# Altium PCB precursor_pvt2b.PcbDoc (part 1 of 7) (continued)
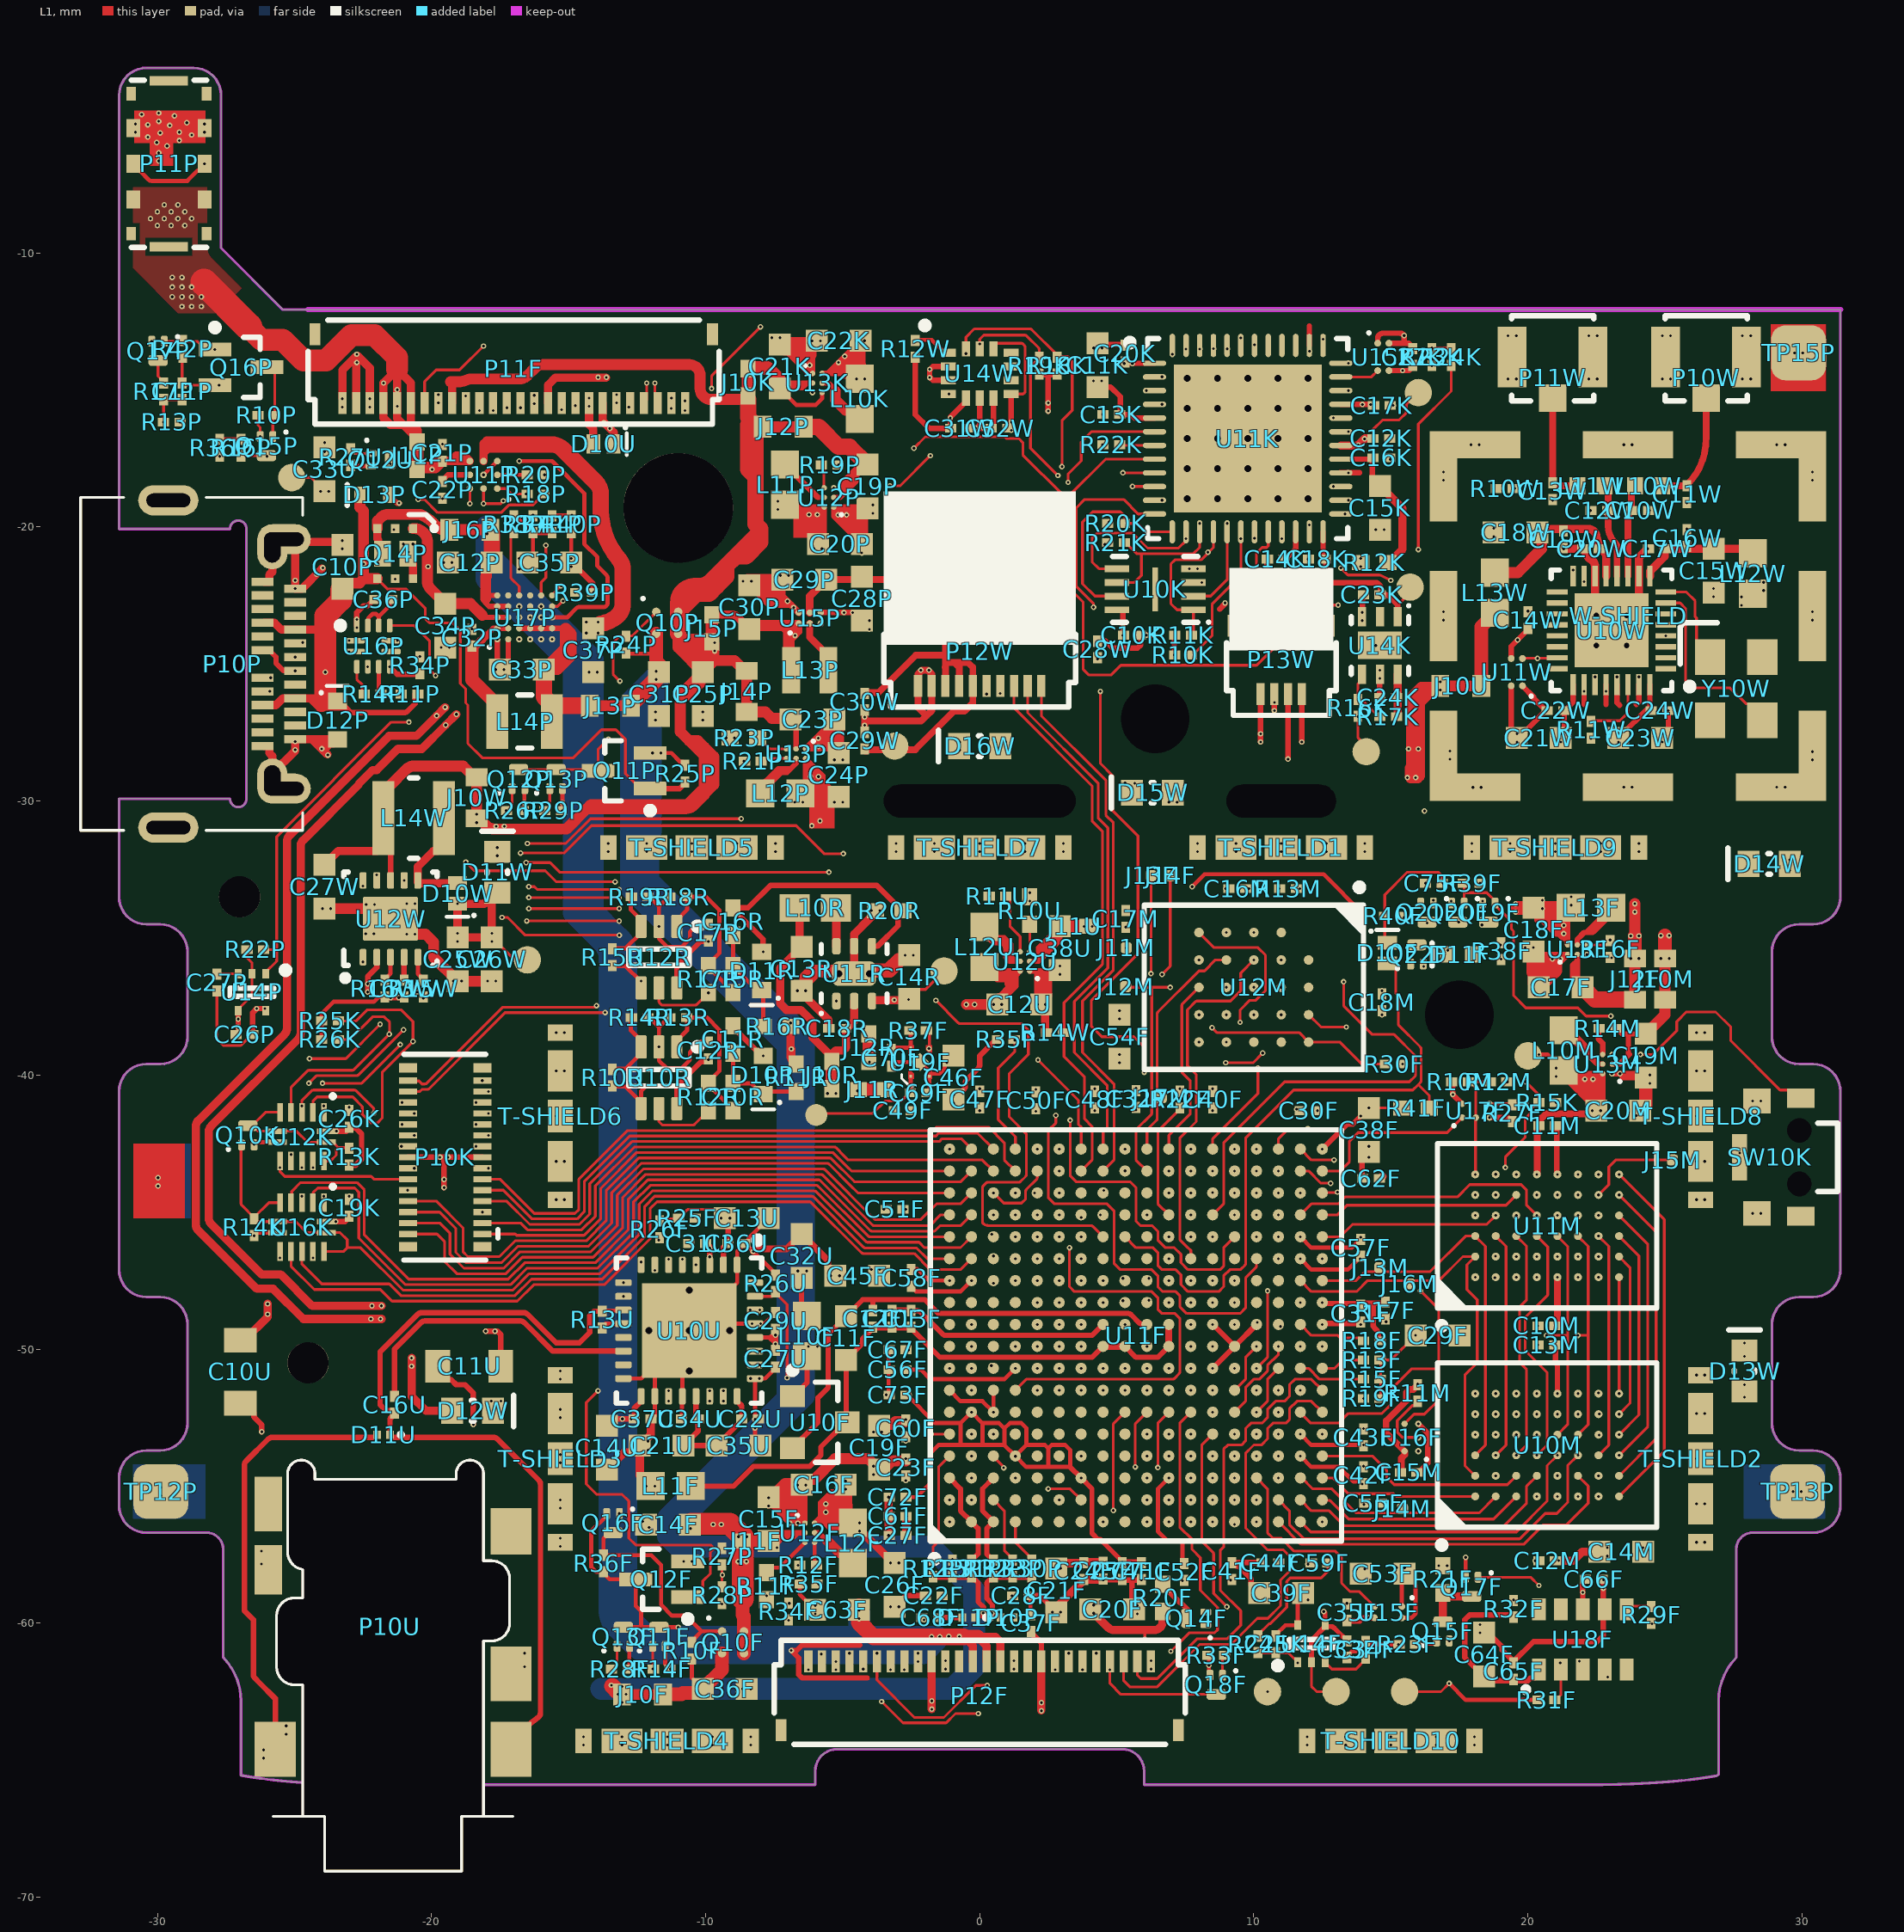
[diagram p0: L1 view]
## Classes and differential pairs
net class DP_90: USB_N USB_P USBC_N USBC_P
net class SE_50: WIFI_RF1 WIFI_RF1L WIFI_RF2 WIFI_RF2L
component class 07_ux: C10U C11U C12U C13U C14U C16U C21U C22U C27U C29U C31U C32U C33U C34U C35U C36U C37U C38U D10U D11U J11U L12U NT10U P10U Q12U R10U R11U R13U R26U R27U U10U U12U
component class 06_rng: C10R C11R C12R C13R C14R C15R C16R C17R C18R D10R D11R J10R J11R J12R L10R R10R R11R R12R R13R R14R R15R R16R R17R R18R R19R R20R U10R U11R U12R
component class 05_kbd_pm: C10K C11K C12K C13K C14K C15K C16K C17K C18K C19K C20K C21K C22K C23K C24K C25K C26K C27K J10K L10K P10K Q10K R10K R11K R12K R13K R14K R15K R16K R17K R18K R19K R20K R21K R22K R23K R24K R25K R26K SW10K U10K U11K U12K U13K U14K U15K U16K
component class 04_io: C10W C11W C12W C13W C14W C15W C16W C17W C18W C19W C20W C21W C22W C23W C24W C25W C26W C27W C28W C29W C30W C31W C32W C33W D10W D11W D12W D13W D14W D15W D16W J10U J10W L10W L11W L12W L13W L14W NT10W P10W P11W P12W P13W R10W R11W R12W R14W R15W R16W U10W U11W U12W U14W Y10W
component class 03_power: C10P C11P C12P C19P C20P C21P C22P C23P C24P C25P C26P C27P C28P C29P C30P C31P C32P C33P C34P C35P C36P C37P D10P D11P D12P D13P J11P J12P J13P J14P J15P J16P L11P L12P L13P L14P P10P P11P Q10P Q11P Q12P Q13P Q14P Q15P Q16P Q17P R10P R11P R12P R13P R14P R15P R16P R17P R18P R19P R20P R21P R22P R23P R24P R25P R26P R27P R28P R29P R30P R31P R32P R33P R34P R35P R36P R37P R38P R39P R40P R41P R42P T-SHIELD1 T-SHIELD2 T-SHIELD3 T-SHIELD4 T-SHIELD5 T-SHIELD6 T-SHIELD7 T-SHIELD8 T-SHIELD9 T-SHIELD10 TP12P TP13P TP14P TP15P U11P U12P U13P U14P U15P U16P U17P W-SHIELD
component class 02_memory: C10M C11M C12M C13M C14M C15M C16M C17M C18M C19M C20M J10M J11M J12M J13M J14M J15M J16M J17M L10M R10M R11M R12M R13M R14M U10M U11M U12M U13M
component class 01_fpga: C10F C11F C12F C13F C14F C15F C16F C17F C18F C19F C20F C21F C22F C23F C24F C25F C26F C27F C28F C29F C30F C31F C32F C33F C34F C35F C36F C37F C38F C39F C40F C41F C42F C43F C44F C45F C46F C47F C48F C49F C50F C51F C52F C53F C54F C55F C56F C57F C58F C59F C60F C61F C62F C63F C64F C65F C66F C67F C68F C69F C70F C71F C72F C73F C74F C75F D10F D11F J10F J11F J12F J13F J14F L10F L11F L12F L13F P11F P12F Q10F Q11F Q12F Q13F Q14F Q15F Q16F Q17F Q18F Q19F Q20F Q21F Q22F R10F R11F R12F R13F R14F R15F R16F R17F R18F R19F R20F R21F R22F R23F R24F R25F R26F R27F R28F R29F R30F R31F R32F R33F R34F R35F R36F R37F R38F R39F R40F R41F U10F U11F U12F U13F U14F U15F U16F U17F U18F U19F
differential pair USB: +USB_P -USB_N
differential pair USBC: +USBC_P -USBC_N

## Components (designator, comment, footprint, x,y, rotation, side; value= is the part's Value field where it differs from the comment)
C10F "0.47uF, 6.3V, X5R" B_CAP0201 -3.2,-48.9 r270 top
C10K "0.1uF, 6.3V, X5R" B_CAP0201 5.55,-23.95 r0 top
C10M "0.47uF, 6.3V, X5R" B_CAP0201 20.675,-49.15 r180 top
C10P "1.0uF, 25V, X5R" B_CAP0603 -23.25,-21.45 r90 top
C10R "1500pF, 50V, X7R" B_CAP0402 -9,-40.8 r270 top
C10U "47uF, 6.3V X5R" B_CAP0805 -26.975,-50.825 r270 top
C10W "1.8pF, NP0" B_CAP0201 24.1,-19.4 r0 top
C11F "10uF, 6.3V, X5R" B_CAP0603 -4.875,-49.6 r270 top
C11K "10uF, 6.3V, X5R" B_CAP0603 4.3,-14.1 r90 top
C11M "0.1uF, 6.3V, X5R" B_CAP0201 20.7,-41.85 r0 top
C11P "0.01uF, 25V, X5R" B_RES0201 -29.1,-15.05 r90 top
C11R "220pF, NP0, 50V" B_CAP0402 -9,-38.7 r270 top
C11U "47uF, 6.3V X5R" B_CAP0805 -18.625,-50.625 r180 top
C11W "0.8pF, NP0" B_CAP0201 25.8,-18.8 r270 top
C12F "0.1uF, 6.3V, X5R" B_CAP0201 -3.9,-48.9 r270 top
C12K "0.47uF, 6.3V, X5R" B_CAP0201 14.647,-16.771 r0 top
C12M "0.47uF, 6.3V, X5R" B_CAP0201 20.7,-57.725 r180 top
C12P "1.0uF, 25V, X5R" B_CAP0603 -18.6,-21.3 r180 top
C12R "0.1uF, 6.3V, X5R" B_CAP0201 -9.9,-39.1 r270 top
C12U "10uF, 6.3V, X5R" B_CAP0603 1.45,-37.425 r0 top
C12W "1.8pF, NP0" B_CAP0201 22.6,-19.4 r180 top
C13F "0.1uF, 6.3V, X5R" B_CAP0201 -2.5,-48.9 r270 top
C13K "0.47uF, 6.3V, X5R" B_CAP0201 4.8,-15.9 r180 top
C13M "0.1uF, 6.3V, X5R" B_CAP0201 20.675,-49.85 r0 top
C13R "10uF, 6.3V, X5R" B_CAP0603 -6.5,-36.125 r270 top
C13U "10uF, 6.3V, X5R" B_CAP0603 -8.5,-45.225 r0 top
C13W "0.8pF, NP0" B_CAP0201 20.9,-18.7 r270 top
C14F "10uF, 6.3V, X5R" B_CAP0603 -11.375,-56.4 r180 top
C14K "0.47uF, 6.3V, X5R" B_CAP0201 10.8,-21.175 r180 top
C14M "10uF, 6.3V, X5R" B_CAP0603 23.4,-57.4 r0 top
C14R "1uF, 50V, X5R" B_CAP0603 -2.575,-36.425 r90 top
C14U "10uF, 6.3V, X5R" B_CAP0603 -13.6,-53.6 r270 top
C14W "0.1uF, 6.3V, X5R" B_CAP0201 20,-23.4 r90 top
C15F "10uF, 6.3V, X5R" B_CAP0603 -7.7,-56.2 r90 top
C15K "10uF, 6.3V, X5R" B_CAP0603 14.6,-19.3 r270 top
C15M "1.0uF, 6.3V, X5R" B_CAP0201 15.65,-54.5 r180 top
C15R "1500pF, 50V, X7R" B_CAP0402 -9,-36.5 r270 top
C15W "10uF, 6.3V, X5R" B_CAP0603 26.775,-21.6 r270 top
C16F "10uF, 6.3V, X5R" B_CAP0603 -5.7,-54.95 r180 top
C16K "0.1uF, 6.3V, X5R" B_CAP0201 14.647,-17.479 r0 top
C16M "0.47uF, 6.3V, X5R" B_CAP0201 9.4,-33.2 r0 top
C16R "220pF, NP0, 50V" B_CAP0402 -9,-34.4 r270 top
C16U "0.1uF, 6.3V, X5R" B_CAP0201 -21.35,-52.025 r90 top
C16W "0.047uF 6.3V X5R" B_CAP0201 25.8,-20.4 r90 top
C17F "10uF, 6.3V, X5R" B_CAP0603 21.2,-36.8 r180 top
C17K "0.47uF, 6.3V, X5R" B_CAP0201 14.675,-15.569 r0 top
C17M "0.1uF, 6.3V, X5R" B_CAP0201 5.325,-34.3 r90 top
C17R "0.1uF, 6.3V, X5R" B_CAP0201 -9.9,-34.8 r270 top
C17W "12pF, NP0" B_CAP0201 24.7,-20.8 r180 top
C18F "10uF, 6.3V, X5R" B_CAP0603 20.2,-34.7 r270 top
C18K "0.47uF, 6.3V, X5R" B_CAP0201 12.3,-21.175 r180 top
C18M "0.1uF, 6.3V, X5R" B_CAP0201 14.675,-37.35 r90 top
C18R "1.0uF, 6.3V, X5R" B_CAP0201 -5.2,-38.3 r0 top
C18W "10uF, 6.3V, X5R" B_CAP0603 19.55,-20.2 r180 top
C19F "10uF, 6.3V, X5R" B_CAP0603 -3.675,-53.6 r270 top
C19K "0.1uF, 6.3V, X5R" B_CAP0201 -23,-44.85 r90 top
C19M "10uF, 6.3V, X5R" B_CAP0603 24.3,-39.3 r270 top
C19P "10uF, 6.3V, X5R" B_CAP0603 -4.1,-18.525 r270 top
C19W "0.047uF 6.3V X5R" B_CAP0201 21.3,-20.45 r270 top
C20F "10uF, 6.3V, X5R" B_CAP0603 4.825,-59.5 r0 top
C20K "0.47uF, 6.3V, X5R" B_CAP0201 5.3,-13.675 r90 top
C20M "10uF, 6.3V, X5R" B_CAP0603 23.3,-41.3 r0 top
C20P "10uF, 6.3V, X5R" B_CAP0603 -5.1,-20.625 r0 top
C20W "12pF, NP0" B_CAP0201 22.3,-20.8 r180 top
C21F "10uF, 6.3V, X5R" B_CAP0603 2.8,-58.8 r270 top
C21K "10uF, 6.3V, X5R" B_CAP0603 -7.3,-14.15 r90 top
C21P "1.0uF, 6.3V, X5R" B_CAP0201 -19.6,-17.3 r270 top
C21U "10uF, 6.3V, X5R" B_CAP0603 -11.6,-53.525 r180 top
C21W "10uF, 6.3V, X5R" B_CAP0603 20.4,-27.7 r180 top
C22F "1.0uF, 6.3V, X5R" B_CAP0201 -1.675,-59 r0 top
C22K "10uF, 6.3V, X5R" B_CAP0603 -5.15,-13.2 r180 top
C22P "0.47uF, 6.3V, X5R" B_CAP0201 -19.6,-18.65 r270 top
C22U "0.1uF, 6.3V, X5R" B_CAP0201 -8.375,-52.55 r0 top
C22W "0.1uF, 6.3V, X5R" B_CAP0201 21,-26.7 r180 top
C23F "0.47uF, 6.3V, X5R" B_CAP0201 -2.7,-54.325 r90 top
C23K "1.0uF, 6.3V, X5R" B_CAP0201 14.3,-22.475 r180 top
C23P "10uF, 6.3V, X5R" B_CAP0603 -6.1,-27.025 r0 top
C23W "10uF, 6.3V, X5R" B_CAP0603 24.1,-27.7 r0 top
C24F "0.47uF, 6.3V, X5R" B_CAP0201 3.8,-58.1 r270 top
C24K "1.0uF, 6.3V, X5R" B_CAP0201 14.9,-26.225 r180 top
C24P "10uF, 6.3V, X5R" B_CAP0603 -5.15,-29.05 r90 top
C24W "0.01uF, 25V, X5R" B_RES0201 24.8,-26.7 r0 top
C25F "0.47uF, 6.3V, X5R" B_CAP0201 4.5,-58.09 r270 top
C25K "0.01uF, 25V, X5R" B_RES0201 10.8,-60.775 r90 top
C25P "10uF, 6.3V, X5R" B_CAP0603 -10.1,-26.1 r270 top
C25W "1.0uF, 25V, X5R" B_CAP0603 -19.05,-35.775 r270 top
C26F "10uF, 6.3V, X5R" B_CAP0603 -3.1,-58.6 r270 top
C26K "0.1uF, 6.3V, X5R" B_CAP0201 -23,-41.6 r90 top
C26P "0.1uF, 6.3V, X5R" B_CAP0201 -26.825,-38.525 r0 top
C26W "1.0uF, 25V, X5R" B_CAP0603 -17.8,-35.775 r270 top
C27F "1.0uF, 6.3V, X5R" B_CAP0201 -3,-56.8 r0 top
C27K "0.01uF, 25V, X5R" B_RES0201 15.8,-13.8 r90 top
C27P "0.01uF, 25V, X5R" B_RES0201 -27.825,-36.625 r270 top
C27U "0.1uF, 6.3V, X5R" B_CAP0201 -7.45,-50.35 r270 top
C27W "1.0uF, 25V, X5R" B_CAP0603 -23.9,-33.125 r270 top
C28F "0.47uF, 6.3V, X5R" B_CAP0201 1.5,-59 r0 top
C28P "10uF, 6.3V, X5R" B_CAP0603 -4.3,-22.625 r270 top
C28W "560pF, NP0" B_RES0201 4.3,-24.475 r90 top
C29F "10uF, 6.3V, X5R" B_CAP0603 16.7,-49.5 r0 top
C29P "10uF, 6.3V, X5R" B_CAP0603 -6.4,-21.925 r180 top
C29U "0.1uF, 6.3V, X5R" B_CAP0201 -7.45,-48.975 r90 top
C29W "1.0uF, 6.3V, X5R" B_CAP0201 -4.2,-27.8 r270 top
C30F "1.0uF, 6.3V, X5R" B_CAP0201 12,-41.3 r180 top
C30P "10uF, 6.3V, X5R" B_CAP0603 -8.412,-22.927 r90 top
C30W "1.0uF, 6.3V, X5R" B_CAP0201 -4.2,-26.375 r90 top
C31F "0.47uF, 6.3V, X5R" B_CAP0201 13.9,-48.7 r90 top
C31P "10uF, 6.3V, X5R" B_CAP0603 -11.7,-26.1 r270 top
C31U "0.1uF, 6.3V, X5R" B_CAP0201 -10.3,-46.15 r180 top
C31W "0.1uF, 6.3V, X5R" B_CAP0201 -0.75,-16.4 r0 top
C32F "0.47uF, 6.3V, X5R" B_CAP0201 5.7,-40.875 r90 top
C32P "0.047uF 6.3V X5R" B_CAP0201 -18.525,-24.05 r90 top
C32U "10uF, 6.3V, X5R" B_CAP0603 -6.5,-46.6 r90 top
C32W "0.1uF, 6.3V, X5R" B_CAP0201 0.725,-16.4 r180 top
C33F "0.1uF, 6.3V, X5R" B_CAP0201 13.4,-60.95 r270 top
C33P "10uF, 6.3V, X5R" B_CAP0603 -16.7,-25.2 r180 top
C33U "10uF, 6.3V, X5R" B_CAP0603 -23.9,-17.9 r270 top
C33W "0.1uF, 6.3V, X5R" B_CAP0201 -21,-36.85 r270 top
C34F "560pF, NP0" B_RES0201 14.075,-60.975 r90 top
C34P "10uF, 6.3V, X5R" B_CAP0603 -19.5,-23.6 r270 top
C34U "0.1uF, 6.3V, X5R" B_CAP0201 -10.575,-52.55 r180 top
C35F "0.01uF, 25V, X5R" B_RES0201 13.4,-59.6 r90 top
C35P "4.7uF, 10V, X5R" B_CAP0603 -15.7,-21.3 r180 top
C35U "10uF, 6.3V, X5R" B_CAP0603 -8.8,-53.525 r0 top
C36F "10uF, 6.3V, X5R" B_CAP0603 -9.3,-62.4 r0 top
C36P "0.1uF, 6.3V, X5R" B_CAP0201 -21.75,-22.65 r0 top
C36U "0.1uF, 6.3V, X5R" B_CAP0201 -8.875,-46.15 r0 top
C37F "1.0uF, 6.3V, X5R" B_CAP0201 1.875,-60 r270 top
C37P "10uF, 6.3V, X5R" B_CAP0603 -14.1,-24.5 r270 top
C37U "1.0uF, 6.3V, X5R" B_CAP0201 -12.3,-52.55 r180 top
C38F "10uF, 6.3V, X5R" B_CAP0603 14.2,-42 r90 top
C38U "10uF, 6.3V, X5R" B_CAP0603 2.925,-35.375 r270 top
C39F "10uF, 6.3V, X5R" B_CAP0603 11,-58.9 r0 top
C40F "1.0uF, 6.3V, X5R" B_CAP0201 8.5,-40.9 r270 top
C41F "0.47uF, 6.3V, X5R" B_CAP0201 9.2,-58.1 r270 top
C42F "0.47uF, 6.3V, X5R" B_CAP0201 14,-54.6 r270 top
C43F "0.47uF, 6.3V, X5R" B_CAP0201 14,-53.225 r90 top
C44F "0.47uF, 6.3V, X5R" B_CAP0201 10.6,-57.8 r0 top
C45F "10uF, 6.3V, X5R" B_CAP0603 -4.475,-47.325 r180 top
C46F "10uF, 6.3V, X5R" B_CAP0603 -0.95,-40.1 r90 top
C47F "1.0uF, 6.3V, X5R" B_CAP0201 0,-40.9 r270 top
C48F "0.47uF, 6.3V, X5R" B_CAP0201 4.2,-40.9 r90 top
C49F "0.47uF, 6.3V, X5R" B_CAP0201 -2.8,-41.3 r180 top
C50F "0.47uF, 6.3V, X5R" B_CAP0201 2.05,-40.925 r90 top
C51F "0.47uF, 6.3V, X5R" B_CAP0201 -3.1,-44.9 r180 top
C52F "1.0uF, 6.3V, X5R" B_CAP0201 7.464,-58.137 r90 top
C53F "10uF, 6.3V, X5R" B_CAP0603 14.7,-58.2 r0 top
C54F "10uF, 6.3V, X5R" B_CAP0603 5.1,-38.6 r90 top
C55F "1.0uF, 6.3V, X5R" B_CAP0201 14.35,-55.625 r180 top
C56F "0.47uF, 6.3V, X5R" B_CAP0201 -3,-50.75 r180 top
C57F "0.47uF, 6.3V, X5R" B_CAP0201 13.9,-46.3 r90 top
C58F "0.47uF, 6.3V, X5R" B_CAP0201 -2.5,-47.4 r90 top
C59F "0.47uF, 6.3V, X5R" B_CAP0201 12.4,-57.8 r180 top
C60F "0.47uF, 6.3V, X5R" B_CAP0201 -2.7,-52.9 r270 top
C61F "0.47uF, 6.3V, X5R" B_CAP0201 -3,-56.1 r180 top
C62F "0.47uF, 6.3V, X5R" B_CAP0201 14.275,-43.775 r0 top
C63F "1.0uF, 25V, X5R" B_CAP0603 -5.202,-59.509 r180 top
C64F "10uF, 6.3V, X5R" B_CAP0603 18.4,-61.15 r90 top
C65F "0.1uF, 6.3V, X5R" B_CAP0201 19.475,-61.75 r90 top
C66F "0.1uF, 6.3V, X5R" B_CAP0201 22.4,-58.4 r0 top
C67F "1.0uF, 6.3V, X5R" B_CAP0201 -3,-50.025 r0 top
C68F "0.47uF, 6.3V, X5R" B_CAP0201 -1.8,-59.8 r0 top
C69F "1.0uF, 6.3V, X5R" B_CAP0201 -2.225,-40.65 r180 top
C70F "1.0uF, 6.3V, X5R" B_CAP0201 -3.225,-39.375 r90 top
C71F "1.0uF, 6.3V, X5R" B_CAP0201 5.9,-58.1 r90 top
C72F "0.47uF, 6.3V, X5R" B_CAP0201 -3,-55.4 r180 top
C73F "0.47uF, 6.3V, X5R" B_CAP0201 -3,-51.675 r180 top
C74F "0.47uF, 6.3V, X5R" B_CAP0201 5.2,-58.1 r270 top
C75F "0.01uF, 25V, X5R" B_RES0201 16.57,-33 r180 top
D10F "VSKY05301006-G4-08" B_DIO0402 14.875,-35.55 r90 top
D10P "ESD7331MUT5G" D_X3DFN2_0201 1,-59.8 r180 top
D10R "BZT585B15T-7" SOD523 -7.9,-40 r270 top
D10U "VSKY05301006-G4-08" B_DIO0402 -13.725,-16.975 r0 top
D10W "VSKY05301006-G4-08" B_DIO0402 -19.05,-33.375 r270 top
D11F "red LED 0402" B_LED0402 17.5,-35.6 r180 top
D11P "ESD7331MUT5G" D_X3DFN2_0201 -0.4,-59.8 r0 top
D11R "BZT585B15T-7" SOD523 -7.95,-36.2 r270 top
D11U "ESD7331MUT5G" D_X3DFN2_0201 -21.75,-53.125 r0 top
D11W "IN-S63AT5UW" B_DIO0603 -17.6,-32.6 r90 top
D12P "CPDUR24V" SOD523 -23.425,-27.05 r90 top
D12W "IN-S63AT5UW" B_DIO0603 -18.5,-52.25 r0 top
D13P "NSR15405NXT5G" B_DIO0502 -22.089,-18.824 r180 top
D13W "IN-S63AT5UW" B_DIO0603 27.9,-50.8 r90 top
D14W "IN-S63AT5UW" B_DIO0603 28.8,-32.3 r180 top
D15W "IN-S63AT5UW" B_DIO0603 6.3,-29.7 r180 top
D16W "IN-S63AT5UW" B_DIO0603 0,-28 r180 top
J10F "power tap (DNP)" RESTAP-0603 -12.3,-62.6 r180 top
J10K "power tap (DNP)" B_PWRTAP0402 -8.45,-14.725 r270 top
J10M "power tap (DNP)" RESTAP-0603 25,-36.5 r90 top
J10R "power tap (DNP)" B_PWRTAP0402 -5.4,-40 r270 top
J10U "power tap (DNP)" RESTAP-0603 17.55,-25.8 r180 top
J10W "power tap (DNP)" RESTAP-0603 -18.35,-29.887 r90 top
J11F "power tap (DNP)" B_PWRTAP0402 -8.175,-57 r180 top
J11M "TP (DNP)" TP_0.4x0.4_SMT 5.348,-35.359 r90 top
J11P "power tap (DNP)" B_PWRTAP0402 -20.525,-17.4 r90 top
J11R "power tap (DNP)" B_PWRTAP0402 -3.925,-40.525 r180 top
J11U "power tap (DNP)" B_PWRTAP0402 3.45,-34.575 r0 top
J12F "power tap (DNP)" RESTAP-0603 23.9,-36.5 r270 top
J12M "TP (DNP)" TP_0.4x0.4_SMT 5.325,-36.775 r90 top
J12P "power tap (DNP)" RESTAP-0603 -7.175,-16.35 r180 top
J12R "power tap (DNP)" B_PWRTAP0402 -4.05,-39 r90 top
J13F "TP (DNP)" TP_0.4x0.4_SMT 6.25,-32.725 r90 top
J13M "TP (DNP)" TP_0.4x0.4_SMT 14.6,-47.025 r90 top
J13P "power tap (DNP)" RESTAP-0603 -13.475,-26.525 r0 top
J14F "TP (DNP)" TP_0.4x0.4_SMT 6.95,-32.725 r90 top
J14M "TP (DNP)" TP_0.4x0.4_SMT 15.425,-55.825 r90 top
J14P "power tap (DNP)" RESTAP-0603 -8.5,-26 r90 top
J15M "TP (DNP)" TP_0.4x0.4_SMT 25.275,-43.1 r90 top
J15P "power tap (DNP)" B_PWRTAP0402 -9.775,-23.7 r270 top
J16M "TP (DNP)" TP_0.4x0.4_SMT 15.675,-47.625 r90 top
J16P "power tap (DNP)" RESTAP-0603 -18.6,-20.1 r180 top
J17M "TP (DNP)" TP_0.4x0.4_SMT 6.625,-40.825 r90 top
L10F "Ferrite 600 ohm" B_IND0603 -6.3,-49.525 r270 top
L10K "0.47uH 0603" B_IND0603 -4.375,-15.325 r90 top
L10M "0.47uH 0603" B_IND0603 21.3,-39.1 r270 top
L10R "22uH MLZ1608M220WT000" INDC1608AN -6,-33.9 r0 top
L10W "2.7nH" B_IND0402 24.4,-18.5 r0 top
L11F "Ferrite 600 ohm" B_IND0603 -11.275,-55 r0 top
L11P "0.47uH 0603" B_IND0603 -7.1,-18.46 r270 top
L11W "2.7nH" B_IND0402 22.3,-18.5 r180 top
L12F "0.47uH 0603" B_IND0603 -4.625,-57.075 r90 top
L12P "0.47uH 0603" B_IND0603 -7.275,-29.725 r0 top
L12U "0.47uH 0603" B_IND0603 0.175,-35.325 r270 top
L12W "Ferrite 600 ohm" B_IND0603 28.2,-21.7 r270 top
L13F "0.47uH 0603" B_IND0603 22.3,-33.9 r180 top
L13P "2.2uH 2016" B_IND2016_TDK -6.2,-25.225 r0 top
L13W "Ferrite 600 ohm" B_IND0603 18.8,-22.4 r270 top
L14P "1.0uH 3.3A 2520" B_IND2025_SAM -16.6,-27.1 r0 top
L14W "10uH 0.81A 3030" B_IND3030_MUR -20.65,-30.625 r0 top
P10K "DF40C-30DP-0.4V(51)" HRS_DF40C-30DP-0.4V(51) -19.5,-43 r90 top
P10P "USB Type C Connector" TE_1-2295018-2 -29.6,-25 r270 top locked
P10U "SJ-43504-SMT-TR" CUI_SJ_43504_SMT_TR_FLIP -21.4,-67.05 r270 top locked
P10W "20279-001E-01 Gen2 U.FL OD0.81mm" HRS_U.FL 26.5,-13.8 r0 top
P11F "26-pin FPC" HRS_FH34SRJ-26S-0.5SH(50) -17,-15.475 r180 top locked
P11P "CPB9406-0109E" SMK_CPB9406-0109E -29.58,-6.75 r90 top
P11W "20279-001E-01 Gen2 U.FL OD0.81mm" HRS_U.FL 20.9,-13.8 r0 top
P12F "26-pin FPC" HRS_FH34SRJ-26S-0.5SH(50) 0,-61.4 r0 top locked
P12W "FH34SRJ-10S-0.5SH" HRS_FH34SRJ-10S-0.5SH(50) 0,-25.8 r180 top
P13W "FH34SRJ-4S-0.5SH" HRS_FH34SRJ-4S-0.5SH(50) 11,-26.1 r180 top
Q10F "Si8425DB" VISHAY_MICRO_FOOT_4_BUMP -9,-60.7 r0 top
Q10K "PMZ290UNE2" SOT883 -26.7,-42.2 r90 top
Q10P "Si8425DB" VISHAY_MICRO_FOOT_4_BUMP -11.4,-23.5 r0 top
Q11F "PMZ290UNE2" SOT883 -11.7,-60.5 r90 top
Q11P "DMN67D8LW" SOT323-3AN -12.975,-28.9 r180 top
Q12F "DMN67D8LW" SOT323-3AN -11.6,-58.4 r180 top
Q12P "PMZ290UNE2" SOT883 -16.825,-29.2 r90 top
Q12U "PMZ290UNE2" SOT883 -21.85,-17.55 r0 top
Q13F "PMZ290UNE2" SOT883 -13,-60.5 r90 top
Q13P "PMZ290UNE2" SOT883 -15.455,-29.2 r90 top
Q14F "PMZ290UNE2" SOT883 7.9,-59.825 r180 top
Q14P "SIA931DJ-T1-GE3" VISHAY_POWERPAK_SC70-6L -21.325,-20.975 r180 top
Q15F "PMZ290UNE2" SOT883 16.9,-60.3 r90 top
Q15P "BSS84AKM" SOT883 -26.02,-17.05 r270 top
Q16F "PMZ290UNE2" SOT883 -13.375,-56.35 r270 top
Q16P "DMN67D8LW" SOT323-3AN -26.95,-14.175 r0 top
Q17F "PMZ290UNE2" SOT883 17.95,-58.675 r270 top
Q17P "PMZ290UNE2" SOT883 -29.975,-13.575 r270 top
Q18F "PMZ290UNE2" SOT883 8.63,-62.25 r270 top
Q19F "PMZ290UNE2" SOT883 18.57,-34.075 r270 top
Q20F "PMZ290UNE2" SOT883 17.445,-34.075 r270 top
Q21F "PMZ290UNE2" SOT883 16.32,-34.075 r270 top
Q22F "PMZ290UNE2" SOT883 15.95,-35.6 r90 top
R10F "220k, 1%" B_RES0201 -10.5,-61 r270 top
R10K "100k, 1%" B_RES0201 7.425,-24.675 r180 top
R10M "47k, 1%" B_RES0201 17.525,-40.25 r0 top
R10P "20k, 1%" B_RES0201 -26.025,-15.925 r180 top
R10R "100k, 1%" B_RES0201 -13.4,-40.1 r90 top
R10U "249k, 1%, +/-200ppm" B_RES0402 1.825,-34 r90 top
R10W "10k, 1%" B_RES0201 19.15,-18.6 r0 top
R11F "18.7k, 1%, +/-200ppm" B_RES0402 -7.775,-58.65 r270 top
R11K "10k, 1%" B_RES0201 7.425,-23.95 r0 top
R11M "47k, 1%" B_RES0201 15.975,-51.6 r270 top
R11P "887k, 1%" B_RES0201 -20.8,-26.1 r180 top
R11R "470k, 1%" B_RES0402 -6.7,-40.1 r90 top
R11U "0 ohm" B_RES0201 0.65,-33.475 r0 top
R11W "10k, 1%" B_RES0201 22.3,-27.4 r270 top
R12F "0 ohm" B_RES0201 -6.258,-57.879 r180 top
R12K "100, 1%" B_RES0402 14.4,-21.3 r180 top
R12M "DNP" B_RES0201 18.925,-40.25 r0 top
R12P "15k, 1%" B_RES0201 -1.7,-58 r90 top
R12R "5.1M, 1%" B_RES0402 -9.9,-40.8 r270 top
R12W "1.0k, 1%" B_RES0201 -2.35,-13.5 r270 top
R13F "330, 1%" B_RES0201 14.3,-50.4 r0 top
R13K "100k, 1%" B_RES0201 -23,-42.975 r270 top
R13M "2.2k, 1%" B_RES0201 11.25,-33.2 r0 top
R13P "100k, 1%" B_RES0201 -29.475,-16.175 r180 top
R13R "220k, 1%" B_RES0201 -11,-37.9 r0 top
R13U "2.2k, 1%" B_RES0201 -13.775,-48.925 r270 top
R14F "100k, 1%" B_RES0201 -11.6,-61.675 r180 top
R14K "220k, 1%" B_RES0201 -26.475,-45.55 r90 top
R14M "0 ohm" B_RES0201 22.9,-38.3 r180 top
R14P "DNP" B_RES0201 -22.15,-26.1 r0 top
R14R "20k, 1%" B_RES0201 -12.4,-37.9 r180 top
R14W "100k, 1%" B_RES0201 2.75,-38.45 r0 top
R15F "4.7k, 1%" B_RES0201 14.3,-51.1 r0 top
R15K "100k, 1%" B_RES0201 20.7,-41 r180 top
R15P "1.5k, 1%" B_RES0201 -1,-58 r90 top
R15R "100k, 1%" B_RES0201 -13.4,-35.7 r90 top
R15W "10k, 1%" B_RES0201 -20.3,-36.85 r90 top
R16F "10k, 1%" B_RES0201 23,-35.4 r90 top
R16K "0 ohm" B_RES0201 13.8,-26.6 r90 top
R16P "20k, 1%" B_RES0201 -26.95,-17.105 r270 top
R16R "470k, 1%" B_RES0402 -7.4,-38.225 r0 top
R16W "10k, 1%" B_RES0201 -21.7,-36.85 r270 top
R17F "1.0k, 1%" B_RES0201 14.8,-48.6 r270 top
R17K "DNP" B_RES0201 14.9,-26.925 r180 top
R17P "20k, 1%" B_RES0201 -29.775,-15.05 r270 top
R17R "5.1M, 1%" B_RES0402 -9.9,-36.5 r270 top
R18F "1.0k, 1%" B_RES0201 14.3,-49.7 r180 top
R18K "4.7k, 1%" B_RES0201 2.825,-14.111 r270 top
R18P "10k, 1%" B_RES0201 -16.2,-18.8 r180 top
R18R "220k, 1%" B_RES0201 -11,-33.5 r0 top
R19F "1.0k, 1%" B_RES0201 14.3,-51.8 r180 top
R19K "4.7k, 1%" B_RES0201 2.172,-14.122 r270 top
R19P "0 ohm" B_RES0201 -5.479,-17.739 r180 top
R19R "20k, 1%" B_RES0201 -12.4,-33.5 r180 top
R20F "47, 1%" B_RES0402 6.675,-59.075 r270 top
R20K "100k, 1%" B_RES0201 4.975,-19.875 r180 top
R20P "10k, 1%" B_RES0201 -16.2,-18.1 r0 top
R20R "22k, 1%" B_RES0402 -3.3,-34 r0 top
R21F "47, 1%" B_RES0402 16.9,-58.4 r90 top
R21K "10k, 1%" B_RES0201 4.975,-20.575 r0 top
R21P "0 ohm" B_RES0201 -8.275,-28.55 r0 top
R22F "1.0k, 1%" B_RES0201 7.3,-40.9 r90 top
R22K "10k, 1%" B_RES0201 4.8,-17 r0 top
R22P "4.7k, 1%" B_RES0201 -26.425,-35.425 r180 top
R23F "220k, 1%" B_RES0201 15.6,-60.775 r0 top
R23K "0 ohm" B_RES0201 16.5,-13.8 r90 top
R23P "249k, 1%, +/-200ppm" B_RES0402 -8.6,-27.7 r180 top
R24F "4.7k, 1%" B_RES0201 10.15,-60.775 r90 top
R24K "DNP" B_RES0201 17.2,-13.8 r90 top
R24P "220k, 1%" B_RES0201 -12.9,-24.3 r270 top
R25F "4.7k, 1%" B_RES0201 -10.675,-45.225 r180 top
R25K "100k, 1%" B_RES0201 -23.7,-38.025 r180 top
R25P "10k, 1%" B_RES0201 -10.75,-29 r90 top
R26F "4.7k, 1%" B_RES0201 -11.675,-45.625 r90 top
R26K "100k, 1%" B_RES0201 -23.7,-38.7 r180 top
R26P "100k, 1%" B_RES0201 -16.955,-30.35 r180 top
R26U "100k, 1%" B_RES0201 -7.45,-47.6 r270 top
R27F "10k, 1%" B_RES0201 19.425,-41.4 r270 top
R27P "100k, 1%" B_RES0201 -9.4,-57.575 r90 top
R27U "100k, 1%" B_RES0201 -22.95,-17.45 r90 top
R28F "100k, 1%" B_RES0201 -13.125,-61.675 r180 top
R28P "5.1k, 1%" B_RES0201 -9.4,-58.975 r270 top
R29F "0 ohm" B_RES0201 24.5,-59.7 r270 top
R29P "10k, 1%" B_RES0201 -15.555,-30.35 r0 top
R30F "10k, 1%" B_RES0201 15.1,-39.6 r180 top
R30P "1.5k, 1%" B_RES0201 1.9,-58 r90 top
R31F "10k, 1%" B_RES0201 20.675,-62.8 r0 top
R31P "22, 1%" B_RES0201 -0.3,-58 r90 top
R32F "1.0k, 1%" B_RES0201 19.475,-59.475 r90 top
R32P "22, 1%" B_RES0201 0.5,-58 r90 top
R33F "100k, 1%" B_RES0201 8.625,-61.175 r0 top
R33P "15k, 1%" B_RES0201 1.2,-58 r90 top
R34F "10k, 1%" B_RES0201 -6.975,-59.575 r90 top
R34P "100k, 1%" B_RES0201 -20.425,-25.05 r90 top
R35F "10k, 1%" B_RES0201 -6.242,-58.569 r180 top
R35P "100k, 1%" B_RES0201 0.95,-38.7 r180 top
R36F "DNP" B_RES0201 -13.725,-57.825 r90 top
R36P "10k, 1%" B_RES0201 -27.725,-17.105 r270 top
R37F "100k, 1%" B_RES0201 -2.25,-38.375 r180 top
R37P "10k, 1%" B_RES0201 -16.3,-19.9 r90 top
R38F "1k, 1%" B_RES0201 19.025,-35.475 r90 top
R38P "10k, 1%" B_RES0201 -17,-19.9 r270 top
R39F "220k, 1%" B_RES0201 17.945,-33 r0 top
R39P "10k, 1%" B_RES0201 -14.434,-22.392 r180 top
R40F "1k, 1%" B_RES0201 15.08,-34.2 r0 top
R40P "31.6k, 1%" B_RES0201 -14.9,-19.9 r90 top
R41F "47, 1%" B_RES0402 15.9,-41.2 r0 top
R41P "5.36k, 1%" B_RES0201 -15.6,-19.9 r270 top
R42P "330, 1%" B_RES0201 -29.075,-13.5 r90 top
SW10K "RA tact switch" CK_KMS221GPLFS 30.45,-43 r90 top locked
T-SHIELD1 "RF Shield" WURTH_36900000 11,-31.7 r180 top locked
T-SHIELD2 "RF Shield" WURTH_36900000 26.3,-54 r90 top locked
T-SHIELD3 "RF Shield" WURTH_36900000 -15.3,-54 r90 top locked
T-SHIELD4 "RF Shield" WURTH_36900000 -11.4,-64.3 r180 top locked
T-SHIELD5 "RF Shield" WURTH_36900000 -10.5,-31.7 r0 top locked
T-SHIELD6 "RF Shield" WURTH_36900000 -15.3,-41.5 r90 top locked
T-SHIELD7 "RF Shield" WURTH_36900000 0,-31.7 r180 top locked
T-SHIELD8 "RF Shield" WURTH_36900000 26.3,-41.5 r90 top locked
T-SHIELD9 "RF Shield" WURTH_36900000 21,-31.7 r180 top locked
T-SHIELD10 "RF Shield" WURTH_36900000 15,-64.3 r180 top locked
TP12P "test point (DNP)" TP_2MM_SQ -29.875,-55.2 r90 top
TP13P "test point (DNP)" TP_2MM_SQ 29.837,-55.2 r90 top
TP14P "test point (DNP)" TP_2MM_SQ -29.8,-43.875 r90 bottom
TP15P "test point (DNP)" TP_2MM_SQ 29.875,-13.65 r90 top
U10F "TI-REF3012DBZ3" ONSC-SOT-23-3-318-08_V -5.83,-52.668 r0 top
U10K "MX25R8035FZUIL0" USON-8 6.4,-22.275 r180 top
U10M "4Mx16 PSRAM" BGA48C75P6X8_600X800X120 20.7,-53.5 r90 top locked
U10R "LMV981MG/NOPB" DCK0006A_N -11.7,-40.1 r270 top
U10U "TLV320AIC3100IRHBR" TI_VQFN_RHB0032E -10.6,-49.325 r270 top
U10W "WF200D" QFN40P400X400X90_HS-33N 23.05,-23.775 r180 top
U11F "XC7S50-L1CSGA324I" BGA324C80P18X18_1500X1500X150 5.7,-49.5 r90 top locked
U11K "iCE40UP5K- SG48" UP5K_QFN127P600-8N 9.776,-16.777 r0 top
U11M "4Mx16 PSRAM" BGA48C75P6X8_600X800X120 20.7,-45.5 r90 top locked
U11P "BQ27421-G1" BGA9C50P3X3_162X158X62 -18.1,-18.1 r180 top
U11R "TPS61158" SON65P200X80_HS-7N -4.58,-36.3 r90 top
U11W "SiT1532 32.768 kHz 100ppm" SiTIME_CSP 19.595,-25.3 r180 top
U12F "TPS62801" BGA6C35P2X3_70X105X40_NSMD -6.2,-56.7 r0 top
U12K "TS3A4751RUCR" QFN40P200X200X40-14L -24.725,-42.25 r180 top
U12M "1Gbit 1.8V SPINOR" BGA24C100P5X5_600X800X120 10,-36.8 r270 top locked
U12P "TPS62802" BGA6C35P2X3_70X105X40_NSMD -5.5,-18.925 r180 top
U12R "LMV981MG/NOPB" DCK0006A_N -11.7,-35.7 r270 top
U12U "TPS62802" BGA6C35P2X3_70X105X40_NSMD 1.65,-35.85 r180 top
U12W "LM3509SDE/NOPB" DSC0010A_V -21.496,-34.3 r90 top
U13F "TPS62802" BGA6C35P2X3_70X105X40_NSMD 21.8,-35.425 r90 top
U13K "TPS62801" BGA6C35P2X3_70X105X40_NSMD -5.925,-14.75 r0 top
U13M "TPS62802" BGA6C35P2X3_70X105X40_NSMD 22.9,-39.6 r180 top
U13P "TPS62802" BGA6C35P2X3_70X105X40_NSMD -6.7,-28.275 r270 top
U14F "BU4230FVE-TR" ROHM_VSOF5 12.1,-60.75 r90 top
U14K "TPS78225" TI-DRV6-1600X1000TP_V 14.6,-24.325 r270 top
U14P "BU4216FVE-TR" ROHM_VSOF5 -26.55,-36.975 r270 top
U14W "LSM6DSLTR" LGA-14_2500X3000X860_N 0,-14.4 r0 top
U15F "SiT8021 12.000MHz" SiTIME_CSP 14.9,-59.6 r270 top
U15K "SiT8021 12.000MHz" SiTIME_CSP 14.725,-13.797 r0 top
U15P "TPS610997" BGA6C40P2X3_88X123X62 -6.2,-23.325 r90 top
U16F "SN74AUC1G66YZPR" YZP0005ADAD 15.75,-53.225 r180 top
U16K "TS3A4751RUCR" QFN40P200X200X40-14L -24.725,-45.55 r180 top
U16P "TUSB320LAI" QFN40P160X160X40-12N -22.125,-24.35 r0 top
U17F "SN74AUC1G66YZPR" YZP0005ADAD 18.1,-41.3 r90 top
U17P "BQ25618(T/R)" BGA30C40P5X6_196X236X62 -16.6,-23.3 r90 top
U18F "AB-RTCMC-32.768KHZ-B5ZE-S3-T" ABRACON_RTCMC_LGA10 22,-60.6 r90 top
U19F "TPS7A0215PDQN(T/R)" TI_DQN_X2SON -2.175,-39.525 r90 top
W-SHIELD "RF Shield" WURTH_36X021312XS 23.65,-23.25 r90 top locked
Y10W "38.4MHz, 10ppm, 40ohm, 10pF" XOSC_3.2_2.5 27.6,-25.9 r270 top

## Footprints (in the part's own frame and the unit in brackets; to place one, negate y for a bottom-side part, rotate by r counter-clockwise, add the part's x,y. Pads: shape width x height; smd on the part's side, far side on the other; paste and mask are expansions set on the pad)
ABRACON_RTCMC_LGA10 [mm] "LGA10 package for ABracon RTCMC"
  rect 0.8x0.5 smd mask+0.07: 1(-1.1,1.6) 2(-1.1,0.8) 3(-1.1,0) 4(-1.1,-0.8) 5(-1.1,-1.6) 6(1.1,-1.6) 7(1.1,-0.8) 8(1.1,0) 9(1.1,0.8) 10(1.1,1.6)
  silkscreen extent -1.92,1.97 -1.73,2.17, body extent -1.25,-1.85 1.25,1.85, height 0.9
B_CAP0201 [mm] "Capacitor 0201"
  rect 0.41x0.32 smd mask+0.05: 1(-0.305,0) 2(0.305,0)
  body extent -0.32,-0.16 0.32,0.17, height 0.26
B_CAP0402 [mm] "Capacitor 0402"
  rect 0.63x0.55 smd mask+0.07: 1(-0.5,0) 2(0.5,0)
  body extent -0.53,-0.27 0.53,0.28, height 0.4
B_CAP0603 [mm] "Capacitor 0603"
  rect 0.8x0.8 smd mask+0.07: 1(-0.8,0) 2(0.8,0)
  body extent -0.85,-0.45 0.85,0.45, height 0.9
B_CAP0805 [mm] "Capacitor 0805"
  rect 0.9x1.2 smd: 1(-1.15,0) 2(1.15,0)
  body extent -1.1,-0.7 1.1,0.7, height 0.6
B_DIO0402 [mm] "Molded Diode, 2-Leads, Body 1.00x0.50mm, IPC Medium Density"
  rect 0.5x0.7 smd mask+0.07: 1(-0.375,0) 2(0.375,0)
  silkscreen extent 0.75,-0.4 0.85,0.65, body extent -0.5,-0.25 0.5,0.25, height 0.55
B_DIO0502 [mm] "DSN2 diode (NS15405NXT5G)"
  rect 0.4x0.6 smd mask+0.07: 1(-0.525,0) 2(0.525,0)
  silkscreen extent 0.98,-0.36 0.98,0.39, body extent -0.74,-0.3 0.74,0.3, height 0.45
B_DIO0603 [mm] "Chip Diode, 2-Leads, Body 1.60x0.80mm, IPC Medium Density"
  rect 0.8x0.95 smd: 1(-0.75,0) 2(0.75,0)
  silkscreen extent -0.05,-0.58 1.5,0.57, body extent -0.8,-0.4 0.8,0.4, height 0.39
B_IND0402 [mm] "Inductor 0402"
  rect 0.58x0.64 smd: 1(-0.49,0) 2(0.49,0)
  body extent -0.55,-0.3 0.55,0.3, height 0.6
B_IND0603 [mm] "Inductor 0603"
  rect 1.03x1.02 smd: 1(-0.735,0) 2(0.735,0)
  body extent -0.9,-0.5 0.9,0.5, height 0.8
B_IND2016_TDK [mm] "Chip Inductor, 2-Leads, Body 2.00x1.60mm, IPC Medium Density"
  rect 0.65x1.7 smd: 1(-0.675,0) 2(0.675,0)
  body extent -1.1,-0.9 1.1,0.9, height 1
B_IND2025_SAM [mm] "2025 Inductor"
  rect 0.8x2 smd: 1(-1,0) 2(1,0)
  silkscreen extent -0.25,-0.97 0.25,0.97, body extent -1.25,-1 1.25,1, height 1
B_IND3030_MUR [mm] "Chip Inductor, 2-Leads, Body 3.00x3.00mm, IPC Medium Density"
  rect 0.8x2.7 smd: 1(-1.1,0) 2(1.1,0)
  silkscreen extent -0.15,-1.47 0.15,1.47, body extent -1.5,-1.5 1.5,1.5, height 1.1
B_LED0402 [mm] "0402 LED footprint"
  rect 0.5x0.6 smd mask+0.07: 1(-0.45,0) 2(0.45,0)
  silkscreen extent 1,-0.42 1,0.42, body extent -0.63,-0.3 0.63,0.3, height 0.45
B_PWRTAP0402 [mm] "Power tap 0402"
  rect 0.63x0.55 smd mask+0.07: 1(-0.5,0) 1(0.5,0)
  L1 region: -0.21,-0.23 0.21,-0.23 0.21,0.23 -0.21,0.23
  body extent -0.53,-0.27 0.53,0.28, height 0.4
B_RES0201 [mm] "Resistor 0201"
  rect 0.41x0.32 smd mask+0.05: 1(-0.305,0) 2(0.305,0)
  body extent -0.32,-0.16 0.32,0.17, height 0.26
B_RES0402 [mm] "Resistor 0402"
  rect 0.63x0.55 smd mask+0.07: 1(-0.5,0) 2(0.5,0)
  body extent -0.53,-0.27 0.53,0.28, height 0.4
BGA6C35P2X3_70X105X40_NSMD [mm] "BGA, 6-Leads, Body 0.70x1.05mmx0.40mm, Pitch 0.35mm"
  round 0.2 smd mask+0.032: A1(-0.175,0.35) A2(0.175,0.35) B1(-0.175,0) B2(0.175,0) C1(-0.175,-0.35) C2(0.175,-0.35)
  silkscreen extent -0.5,0.58 -0.41,0.68, body extent -0.35,-0.53 0.35,0.53, height 0.4
BGA6C40P2X3_88X123X62 [mm] "BGA, 6-Leads, Body 0.88x1.23mmx0.63mm, Pitch 0.40mm"
  round 0.23 smd mask+0.04: A1(-0.2,0.4) A2(0.2,0.4) B1(-0.2,0) B2(0.2,0) C1(-0.2,-0.4) C2(0.2,-0.4)
  silkscreen extent -0.59,0.67 -0.5,0.77, body extent -0.44,-0.62 0.44,0.62, height 0.63
BGA9C50P3X3_162X158X62 [mm] "BGA, 9-Leads, Body 1.62x1.58mmx0.63mm, Pitch 0.50mm"
  round 0.245 smd mask+0.05: A1(-0.5,0.5) A2(0,0.5) A3(0.5,0.5) B1(-0.5,0) B2(0,0) B3(0.5,0) C1(-0.5,-0.5) C2(0,-0.5) C3(0.5,-0.5)
  silkscreen extent -0.97,0.85 -0.87,0.94, body extent -0.81,-0.79 0.81,0.79, height 0.63
BGA24C100P5X5_600X800X120 [mm] "BGA, 24-Leads, Body 6.00x8.00mmx1.20mm, Pitch 1.00mm"
  round 0.35 smd: A2(-1,2) A3(0,2) A4(1,2) A5(2,2) B1(-2,1) B2(-1,1) B3(0,1) B4(1,1) B5(2,1) C1(-2,0) C2(-1,0) C3(0,0) C4(1,0) C5(2,0) D1(-2,-1) D2(-1,-1) D3(0,-1) D4(1,-1) D5(2,-1) E1(-2,-2) E2(-1,-2) E3(0,-2) E4(1,-2) E5(2,-2)
  silkscreen extent -3.77,-4 3,4, body extent -3,-4 3,4, height 1.2
BGA30C40P5X6_196X236X62 [mm] "BGA, 30-Leads, Body 1.96x2.36mmx0.63mm, Pitch 0.40mm"
  round 0.23 smd mask+0.05: A1(-0.8,1) A2(-0.4,1) A3(0,1) A4(0.4,1) A5(0.8,1) B1(-0.8,0.6) B2(-0.4,0.6) B3(0,0.6) B4(0.4,0.6) B5(0.8,0.6) C1(-0.8,0.2) C2(-0.4,0.2) C3(0,0.2) C4(0.4,0.2) C5(0.8,0.2) D1(-0.8,-0.2) D2(-0.4,-0.2) D3(0,-0.2) D4(0.4,-0.2) D5(0.8,-0.2) E1(-0.8,-0.6) E2(-0.4,-0.6) E3(0,-0.6) E4(0.4,-0.6) E5(0.8,-0.6) F1(-0.8,-1) F2(-0.4,-1) F3(0,-1) F4(0.4,-1) F5(0.8,-1)
  silkscreen extent -1.13,1.23 -1.04,1.33, body extent -0.98,-1.18 0.98,1.18, height 0.63
BGA48C75P6X8_600X800X120 [mm] "BGA, 48-Leads, Body 6.00x8.00mmx1.20mm, Pitch 0.75mm"
  round 0.29 smd: A1(-1.875,2.625) A2(-1.125,2.625) A3(-0.375,2.625) A4(0.375,2.625) A5(1.125,2.625) A6(1.875,2.625) B1(-1.875,1.875) B2(-1.125,1.875) B3(-0.375,1.875) B4(0.375,1.875) B5(1.125,1.875) B6(1.875,1.875) C1(-1.875,1.125) C2(-1.125,1.125) C3(-0.375,1.125) C4(0.375,1.125) C5(1.125,1.125) C6(1.875,1.125) D1(-1.875,0.375) D2(-1.125,0.375) D3(-0.375,0.375) D4(0.375,0.375) D5(1.125,0.375) D6(1.875,0.375) E1(-1.875,-0.375) E2(-1.125,-0.375) E3(-0.375,-0.375) E4(0.375,-0.375) E5(1.125,-0.375) E6(1.875,-0.375) F1(-1.875,-1.125) F2(-1.125,-1.125) F3(-0.375,-1.125) F4(0.375,-1.125) F5(1.125,-1.125) F6(1.875,-1.125) G1(-1.875,-1.875) G2(-1.125,-1.875) G3(-0.375,-1.875) G4(0.375,-1.875) G5(1.125,-1.875) G6(1.875,-1.875) H1(-1.875,-2.625) H2(-1.125,-2.625) H3(-0.375,-2.625) H4(0.375,-2.625) H5(1.125,-2.625) H6(1.875,-2.625)
  silkscreen extent -3.77,-4 3,4, body extent -3,-4 3,4, height 1.2